# KiCad board arena_10_of_10_v1r1.kicad_pcb (continued)
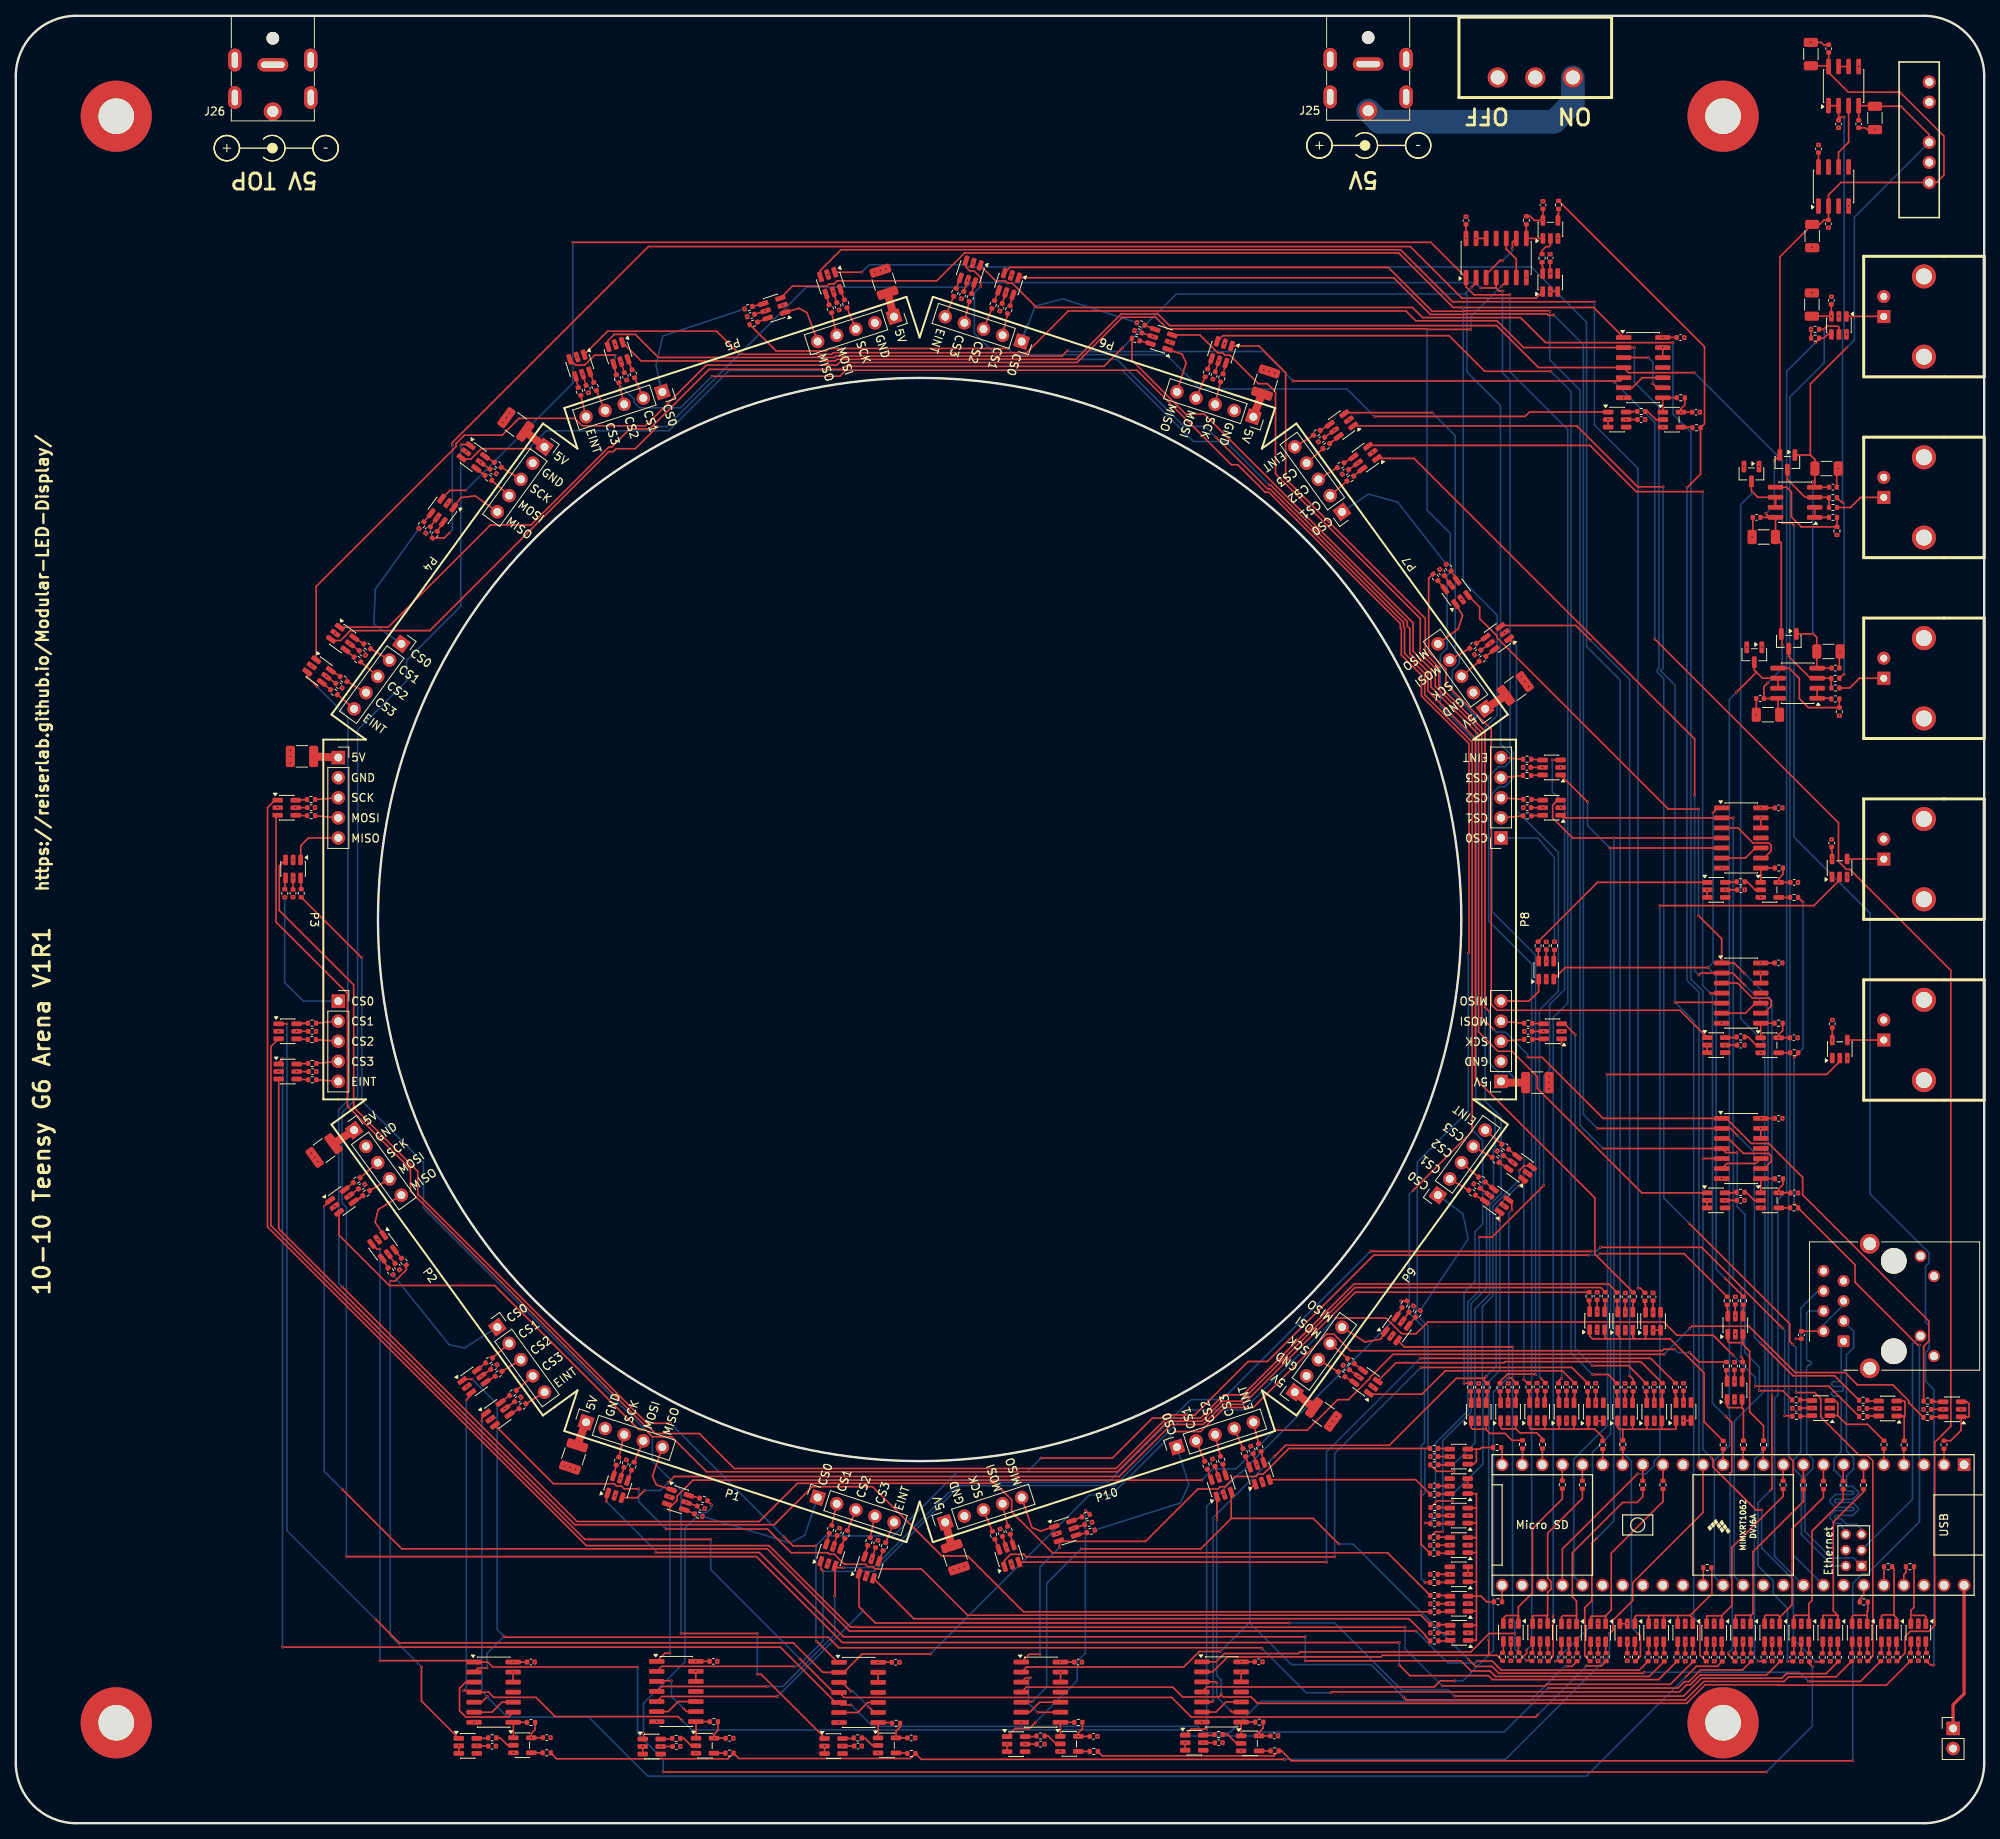
[diagram p0: board, top side]
## Nets (continued)
Net-(R124-Pad1): R124.1 U54.4
Net-(R125-Pad1): R125.1 U55.4
Net-(R126-Pad1): R126.1 U56.6
Net-(R127-Pad1): R127.1 U56.4
Net-(R128-Pad1): R128.1 U57.6
Net-(R129-Pad1): R129.1 U57.4
Net-(R130-Pad1): R130.1 U59.6
Net-(R131-Pad1): R131.1 U58.6
Net-(R132-Pad1): R132.1 U58.4
Net-(R133-Pad1): R133.1 U59.4
Net-(R134-Pad1): R134.1 U60.6
Net-(R135-Pad1): R135.1 U60.4
Net-(R136-Pad1): R136.1 U61.6
Net-(R137-Pad1): R137.1 U61.4
Net-(R138-Pad1): R138.1 U63.6
Net-(R139-Pad1): R139.1 U62.6
Net-(R140-Pad1): R140.1 U62.4
Net-(R141-Pad1): R141.1 U63.4
Net-(R142-Pad1): R142.1 U64.6
Net-(R143-Pad1): R143.1 U64.4
Net-(R144-Pad1): R144.1 U65.6
Net-(R145-Pad1): R145.1 U65.4
Net-(R146-Pad1): R146.1 U67.6
Net-(R147-Pad1): R147.1 U66.6
Net-(R148-Pad1): R148.1 U66.4
Net-(R149-Pad1): R149.1 U67.4
Net-(R150-Pad1): R150.1 U68.6
Net-(R151-Pad1): R151.1 U68.4
Net-(R152-Pad1): R152.1 U69.6
Net-(R153-Pad1): R153.1 U69.4
Net-(R154-Pad1): R154.1 U71.6
Net-(R155-Pad1): R155.1 U70.6
Net-(R156-Pad1): R156.1 U70.4
Net-(R157-Pad1): R157.1 U71.4
Net-(R158-Pad1): R158.1 U72.6
Net-(R159-Pad1): R159.1 U72.4
Net-(R160-Pad1): R160.1 U73.6
Net-(R161-Pad1): R161.1 U73.4
Net-(R162-Pad1): R162.1 U75.6
Net-(R163-Pad1): R163.1 U74.6
Net-(R164-Pad1): R164.1 U74.4
Net-(R165-Pad1): R165.1 U75.4
Net-(R166-Pad1): R166.1 U76.6
Net-(R167-Pad1): R167.1 U76.4
Net-(R168-Pad1): R168.1 U77.6
Net-(R169-Pad1): R169.1 U77.4
Net-(R170-Pad1): R170.1 U79.6
Net-(R171-Pad1): R171.1 U78.6
Net-(R172-Pad1): R172.1 U78.4
Net-(R173-Pad1): R173.1 U79.4
Net-(R174-Pad1): R174.1 U80.6
Net-(R175-Pad1): R175.1 U80.4
Net-(R176-Pad1): R176.1 U81.6
Net-(R177-Pad1): R177.1 U81.4
Net-(R186-Pad2): R186.2 U88.4
Net-(R187-Pad2): R187.2 U88.1 U89.8
Net-(R188-Pad1): R188.1 U88.2
Net-(R188-Pad2): R188.2 U90.6
Net-(R189-Pad2): R189.2 U92.4
Net-(R190-Pad2): R190.2 U91.8 U92.1
Net-(R191-Pad1): R191.1 U92.2
Net-(R191-Pad2): R191.2 U93.6
Net-(R192-Pad2): R192.2 U96.4
Net-(R193-Pad2): R193.2 U94.8 U96.1
Net-(R194-Pad1): R194.1 U96.2
Net-(R194-Pad2): R194.2 U97.6
Net-(R195-Pad2): R195.2 U100.4
Net-(R196-Pad2): R196.2 U95.8 U100.1
Net-(R197-Pad1): R197.1 U100.2
Net-(R197-Pad2): R197.2 U101.6
Net-(R198-Pad2): R198.2 U104.4
Net-(R199-Pad2): R199.2 U98.8 U104.1
Net-(R200-Pad1): R200.1 U104.2
Net-(R200-Pad2): R200.2 U105.6
Net-(R201-Pad2): R201.2 U108.4
Net-(R202-Pad2): R202.2 U99.8 U108.1
Net-(R203-Pad1): R203.1 U108.2
Net-(R203-Pad2): R203.2 U109.6
Net-(R204-Pad2): R204.2 U112.4
Net-(R205-Pad2): R205.2 U102.8 U112.1
Net-(R206-Pad1): R206.1 U112.2
Net-(R206-Pad2): R206.2 U113.6
Net-(R207-Pad2): R207.2 U116.4
Net-(R208-Pad2): R208.2 U103.8 U116.1
Net-(R209-Pad1): R209.1 U116.2
Net-(R209-Pad2): R209.2 U117.6
Net-(R210-Pad2): R210.2 U120.4
Net-(R211-Pad2): R211.2 U106.8 U120.1
Net-(R212-Pad1): R212.1 U120.2
Net-(R212-Pad2): R212.2 U121.6
Net-(R213-Pad2): R213.2 U124.4
Net-(R214-Pad2): R214.2 U107.8 U124.1
Net-(R215-Pad1): R215.1 U124.2
Net-(R215-Pad2): R215.2 U125.6
Net-(U1-0_RX1_CRX2_CS1): R1.2 U1.2
Net-(U1-2_OUT2): R2.2 U1.4
Net-(U1-3_LRCLK2): R3.2 U1.5
Net-(U1-4_BCLK2): R4.2 U1.6
Net-(U1-5_IN2): R5.2 U1.7
Net-(U1-6_OUT1D): R6.2 U1.8
Net-(U1-7_RX2_OUT1A): R7.2 U1.9
Net-(U1-8_TX2_IN1): R8.2 U1.10
Net-(U1-9_OUT1C): R9.2 U1.11
Net-(U1-10_CS_MQSR): R10.2 U1.12
Net-(U1-11_MOSI_CTX1): R11.2 U1.13
Net-(U1-13_SCK_LED): R24.2 U1.35
Net-(U1-21_A7_RX5_BCLK1): R23.2 U1.43
Net-(U1-22_A8_CTX1): R22.2 U1.44
Net-(U1-23_A9_CRX1_MCLK1): R21.2 U1.45
Net-(U1-24_A10_TX6_SCL2): R12.2 U1.16
Net-(U1-25_A11_RX6_SDA2): R13.2 U1.17
Net-(U1-26_A12_MOSI1): R14.2 U1.18
Net-(U1-27_A13_SCK1): R15.2 U1.19
Net-(U1-28_RX7): R16.2 U1.20
Net-(U1-29_TX7): R17.2 U1.21
Net-(U1-30_CRX3): R18.2 U1.22
Net-(U1-31_CTX3): R19.2 U1.23
Net-(U1-32_OUT1B): R20.2 U1.24
Net-(U1-33_MCLK2): R25.2 U1.25
Net-(U1-36_CS): U1.28 U3.2
Net-(U1-37_CS): U1.29 U2.2
Net-(U83A-+): D3.3 R182.2 R184.1 U83.3
Net-(U83A--): R180.2 U83.1 U83.2
Net-(U83B-+): R178.2 R180.1 U83.5
Net-(U84-NR): C99.1 U84.8
Net-(U84-Vout): U84.6 U87.3
Net-(U86A-+): D4.3 R183.2 R185.1 U86.3
Net-(U86A--): R181.2 U86.1 U86.2
Net-(U86B-+): R179.2 R181.1 U86.5
Net-(U87B--): U87.6 U87.7
Net-(U89-Pad3): U89.3 U89.9
Net-(U89-Pad10): U89.6 U89.10
Net-(U91-Pad3): U91.3 U91.9
Net-(U91-Pad10): U91.6 U91.10
Net-(U94-Pad3): U94.3 U94.9
Net-(U94-Pad10): U94.6 U94.10
Net-(U95-Pad3): U95.3 U95.9
Net-(U95-Pad10): U95.6 U95.10
Net-(U98-Pad3): U98.3 U98.9
Net-(U98-Pad10): U98.6 U98.10
Net-(U99-Pad3): U99.3 U99.9
Net-(U99-Pad10): U99.6 U99.10
Net-(U102-Pad3): U102.3 U102.9
Net-(U102-Pad10): U102.6 U102.10
Net-(U103-Pad3): U103.3 U103.9
Net-(U103-Pad10): U103.6 U103.10
Net-(U106-Pad3): U106.3 U106.9
Net-(U106-Pad10): U106.6 U106.10
Net-(U107-Pad3): U107.3 U107.9
Net-(U107-Pad10): U107.6 U107.10

Pads without a net: J1 7 11 12 13; U1 26 27 30 31 32 33 38 39 42; U2 1; U3 1; U6 4; U9 4; U12 4; U15 4; U38 4; U41 4; U84 1 3 5 7; U89 11; U90 4; U91 11; U93 4; U94 11; U95 11; U97 4; U98 11; U99 11; U101 4; U102 11; U103 11; U105 4; U106 11; U107 11; U109 4; U113 4; U117 4; U121 4; U125 4

## Via types
v1: diameter 0.35, hole 0.2, Top to Bottom, 675 vias
v2: diameter 0.4, hole 0.2, Top to Bottom, 2 vias

## Routing (per net, layer and track width the routed paths; a pad name or vN(x,y) marks a point on that pad's centre or on a via; arc(x,y) is an arc through that point)
+3.3V: length 185.7
  Top w0.2: C34.1 236.88,21.48 U34.5 v1(236.87,22.95) ; C25.1 217.34,57.34 v1(217.34,55.88) 217.35,55.88 217.35,55.88 ; C138.1 158.65,11.05 v1(157.22,11.05) 157.22,11.05 U120.5 157.23,11.45 157.26,11.48 157.26,11.54 157.75,12.03 R211.1 157.76,12.79 ; 119.88,193.73 v1(120.35,195.16) ; R26.1 227.02,187.84 v1(227.02,188.95) 227.01,188.95 ; 86.21,40.1 U43.5 v1(84.81,40.57) ; v1(199.97,64.7) U7.5 199.98,66.19 C7.1 ; C17.1 234.08,52.46 v1(235.57,52.46) 235.57,52.46 U17.5 ; U30.5 v1(188.71,53.19) 188.71,54.65 C30.1 ; 211.06,180.3 R199.1 211.06,179.39 210.56,178.89 v1(210.56,178.47) U104.5 211.99,178.47 C134.1 ; v1(222.11,22.95) 222.11,21.48 C21.1 ; U24.5 217.44,64.13 v1(217.44,64.13) 217.44,65.61 C24.1 ; C131.1 v1(65.2,10.81) 65.2,11.37 65.67,11.84 R190.1 65.67,12.76 ; C136.1 224.35,99.35 v1(222.93,99.35) ; U14.5 v1(207.19,53.19) C14.1 ; C5.1 211.11,21.46 v1(211.11,22.95) U5.5 ; C117.1 194.03,196.01 v1(194.04,196) ; 59.98,171.26 v1(58.78,172.12) 58.78,172.12 ; v1(103.4,35) C45.1 ; v1(220.67,128.43) U103.14 222.44,128.43 C124.1 ; U59.5 v1(94.8,191.29) C64.1 ; 88.8,12.83 R187.1 88.79,11.73 88.29,11.23 v1(88.29,10.75) 89.76,10.75 C130.1 ; 151.68,183.57 v1(152.13,184.97) ; C61.1 v1(39.27,145.05) ; U19.5 229.45,22.95 v1(229.44,22.94) 229.44,21.47 C19.1 ; C56.1 v1(35.52,95.07) ; v1(62.9,20.39) C112.1 ; U12.5 v1(199.8,53.18) 199.8,54.67 C12.1 ; D1.2 v1(218.54,171.6) ; U105.5 v1(203.63,177.53) U105.5 ; U105.5 C119.1 ; U16.5 v1(243.72,52.35) 242.22,52.35 C16.1 ; 185.26,148.36 v1(186.44,149.24) ; U4.5 v1(207.44,22.95) U4.5 ; U4.5 C4.1 ; C76.1 v1(166.73,176.16) ; C121.1 217.63,78.78 v1(216.15,78.78) U109.5 ; U98.14 208.27,187.92 v1(208.27,187.92) 210.02,187.92 C118.1 ; v1(192.76,22.97) 192.76,21.48 C28.1 ; C27.1 196.42,21.47 v1(196.42,22.93) ; v1(222.94,79.73) 222.94,80.24 223.47,80.77 R202.1 223.46,81.51 223.46,81.51 ; v1(222.94,79.73) 224.4,79.73 C135.1 ; v1(222.94,79.73) 222.94,79.73 U108.5 ; 223.43,101.19 R205.1 223.44,100.25 222.93,99.74 v1(222.93,99.35) ; U22.5 v1(218.42,22.95) 218.42,21.44 C22.1 ; C38.1 181.3,42.66 v1(181.32,42.63) ; C79.1 v1(193.54,109.04) ; C75.1 v1(169.73,172.05) ; v1(216.18,118.05) 217.67,118.05 217.68,118.06 ; 134.87,12.75 R214.1 134.88,11.93 134.37,11.42 v2(134.37,10.97) U124.5 135.81,10.98 C139.1 ; C10.1 192.4,54.68 v1(192.4,53.2) U10.5 ; C60.1 v1(42.25,149.17) ; C85.1 v1(186.35,79.43) ; C13.1 203.5,54.67 v1(203.5,53.18) U13.5 ; v1(181.38,24.08) 181.38,24.07 C39.1 ; U48.5 v1(58.87,56.55) C50.1 ; C66.1 v1(71.67,183.28) U61.5 ; C53.1 v1(35.4,128.44) ; 207.04,66.11 v1(207.04,64.63) 207.05,64.63 U9.5 ; C91.1 v1(156.93,45.32) ; v1(203.79,22.95) C6.1 ; v1(175.31,63.47) 176.19,64.65 ; C127.1 151.63,10.18 v1(150.16,10.18) ; C88.1 v1(125.23,34.89) ; C40.1 v1(181.35,27.75) U40.5 ; C128.1 133.84,20.39 v1(132.09,20.39) U107.14 ; U46.5 v1(42.16,79.36) 43.34,80.24 ; C36.1 181.33,35.16 v1(181.34,35.17) ; C26.1 200.09,21.48 v1(200.09,22.95) 200.1,22.95 U26.5 ; C86.1 v1(189.34,83.55) ; C81.1 v1(193.08,133.53) ; C132.1 v1(111.31,10.79) 111.31,11.63 111.83,12.15 111.83,12.64 111.83,12.64 ; C111.1 v1(81.55,9.7) U90.5 ; 76.92,45.04 v1(76.47,43.63) U42.5 ; C49.1 v1(47.1,71.99) U47.5 ; 168.62,57.34 v1(169.82,56.48) ; v1(181.35,31.48) 181.34,31.47 C41.1 ; v1(109.05,20.35) 110.78,20.35 C114.1 ; v1(35.06,119.57) U51.5 C54.1 ; U95.14 v1(183.39,200.45) C116.1 ; U55.5 v1(53.28,165.13) 52.42,163.95 ; v1(86,20.47) C110.1 ; 61.87,52.44 v1(61.87,52.44) C51.1 ; C18.1 225.65,52.51 v1(227.12,52.51) 227.12,52.51 U18.5 ; C35.1 233.17,21.49 v1(233.17,22.95) U35.5 ; 151.65,45.15 v1(152.09,43.74) ; C137.1 224.4,119 v1(222.94,119) 222.94,119.48 223.47,120.01 223.47,120.81 223.46,120.82 ; C80.1 v1(193.09,128.44) ; C78.1 v1(193.2,100.16) ; v1(240.59,22.96) U33.5 C33.1 ; C55.1 v1(35.51,100.16) ; 179.9,38.91 v1(181.34,38.91) ; C133.1 193.12,202.72 U100.5 193.11,202.72 v1(193.11,202.72) 192.03,202.72 191.5,203.25 R196.1 ; v1(104.54,9.75) C115.1 ; U20.5 v1(225.78,22.95) 225.78,21.44 225.79,21.43 ; C122.1 222.42,108.8 v1(220.67,108.8) ; D2.2 v1(218.9,148.75) ; C23.1 214.77,21.46 U23.5 214.77,22.96 v1(214.77,22.96) ; C31.1 185,54.66 v1(185,53.18) U31.5 ; C11.1 196.11,54.67 v1(196.11,53.18) 196.11,53.19 U11.5 ; U8.5 v1(203.53,64.65) 203.53,66.11 ; U15.5 v1(210.9,53.21) 210.9,54.69 C15.1 ; v1(181.5,156.62) U67.5 C74.1 ; U112.5 v1(222.93,99.35) ; U32.5 v1(181.33,46.37) C32.1 ; v1(220.68,89.15) C120.1 ; C63.1 v1(103.37,193.71) ; 76.5,184.86 v1(76.5,184.86) 76.95,183.45 ; v1(133.78,37.32) C89.1 ; U29.5 189.06,22.99 v1(189.06,22.99) C29.1 ; U63.5 v1(143.78,188.04) 142.39,188.5 ; 108.72,34.87 v1(108.25,33.44) ; v1(154.95,20.41) C126.1 ; C70.1 v1(125.2,193.6) ; v1(58.29,9.78) 59.72,9.78 C113.1 ; C129.1 v1(127.63,10) ; v1(216.17,98.41) C123.1
+5V: length 38.5
  Top w0.2: C3.1 229.63,123 229.68,122.95 v1(229.68,121.96) 229.63,122.01 ; 229.59,190.6 229.58,190.61 227.13,190.61 ; 229.59,190.6 C98.1 ; 229.59,190.6 U85.3 ; 229.59,190.6 U85.3 ; U85.3 v1(229.6,190.59) ; v1(229.71,99.06) C2.1
  Top w1: 188.43,142.66 185.81,140.94 ; C62.2 J13.1 ; 164.18,52.56 161.74,54.52 ; 187.82,93.82 187.97,93.67 190.94,93.67 ; 37.66,134.93 40.78,134.78 ; J23.1 118.36,35.04 ; 64.42,176.04 66.86,174.08 ; 157.6,180.81 J15.1 ; 71,47.79 J5.1 ; 40.17,85.94 42.78,87.66
+15V: length 118.4
  Top w0.2: U87.8 229.24,221.45 231.74,218.94 238.27,218.94 243.83,213.38 243.83,208.44 242.91,207.52 U82.6 230.8,207.52 229.24,205.96 U84.2 229.24,202.79 C93.1 228.67,202.78 228.11,202.22 C92.1 223.08,198.13 D3.2 v1(222.38,172.35) ; U87.8 229.25,222.21 C105.1 ; U87.8 229.13,222.29 C108.1 ; 221.45,165.16 221.45,165.52 v1(221.3,165.67) ; 221.45,165.16 222.53,165.16 222.54,165.16 222.54,162.69 C96.1 223.26,161.94 D4.2 223.37,150.31 v1(223.37,149.02) ; 221.45,165.16 C94.1 ; v1(221.54,144.22) 221.06,143.73 C101.1 222.82,142.25 U86.8 222.85,140.4 C103.1
  Bottom w0.2: v1(221.54,144.22) 223.37,146.04 v1(223.37,149.02) ; v1(221.3,165.67) 222.38,166.75 v1(222.38,172.35)
-15V: length 95.2
  Top w0.2: 227.51,169.7 v1(227.24,169.7) ; 227.51,169.7 C97.1 227.51,172.48 226.94,173.05 ; 227.51,169.7 227.51,169 227.49,168.97 ; U83.4 227.49,168.97 ; U83.4 227.49,168.97 ; U83.4 229.3,168.97 229.3,168.98 ; C106.1 233.05,215.41 U87.4 235.03,217.24 C109.1 238.39,217.16 241.97,213.58 U82.4 ; C102.1 229.63,146.09 U86.4 227.75,146.14 C104.1 227.75,149.98 227.31,150.42 v1(227.24,150.42) D4.1 ; D3.1 226.94,173.05 ; 226.94,173.05 226.94,182.03 v1(231.53,186.62) ; 229.3,168.98 C95.1 229.3,168.98
  Bottom w0.2: v1(227.24,150.42) v1(227.24,169.7) ; U82.4 232.5,203.13 232.5,187.59 v1(231.53,186.62)
/Analog IO/10V_REF: length 76.3
  Top w0.2: U87.1 U87.2 230.5,215.78 ; R183.1 231.13,145.33 v1(231.2,145.33) ; 230.5,215.78 C107.1 ; 230.5,215.78 v1(231.21,215.78) ; v1(231.09,167.04) 230.91,167.04 R182.1
  Bottom w0.2: v1(231.21,215.78) 231.21,188.91 231.01,188.71 231.01,167.12 v1(231.09,167.04) 231.2,166.93 v1(231.2,145.33)
/Teensy/VIN: length 18.7
  Top w0.4: U1.48 246.38,16.37 244.99,14.98 J2.1
GND: length 45
  Top w0.2: U102.12 220.66,106.27 v1(220.66,107.53) U102.13 ; U28.2 v1(192.76,25.25) ; C76.2 v1(164.72,174.72) ; v1(203.5,55.64) C13.2 ; v1(111.74,20.36) C114.2 ; C95.2 230.27,171.15 C97.2 230.45,171.34 v1(230.45,171.34) ; 37.79,84.21 37.79,84.21 v1(37.78,84.22) ; D1.1 220.44,171.6 v1(220.43,171.6) ; U99.13 v1(220.67,87.88) 220.67,86.61 220.68,86.61 ; U12.2 v1(199.81,50.89) 200.74,50.89 U12.3 ; U19.2 229.46,25.23 v1(229.46,25.23) ; C51.2 v1(63.87,53.88) ; U76.2 v1(188.18,78.1) ; C55.2 v1(37.95,100.15) ; v1(188.71,50.92) 188.72,50.92 U30.2 ; C134.2 212.95,178.46 v1(212.94,178.47) ; C107.2 v1(230.5,214.44) ; 147.88,10.18 v1(147.88,10.18) 147.88,9.24 147.88,9.23 ; U97.3 102.27,8.81 v1(102.27,9.76) U97.2 ; v1(192.4,50.91) 192.39,50.92 192.39,50.93 ; U56.2 v1(40.4,150.51) ; C31.2 v1(184.99,55.63) ; C85.2 v1(184.38,80.87) ; 167.75,170.62 v1(167.74,170.63) ; 45.77,73.82 v1(45.77,73.83) ; C81.2 v1(190.6,133.54) ; C128.2 v1(134.81,20.38) ; C98.2 v1(229.59,193.08) ; C29.2 v1(189.05,20.53) ; v1(62.04,177.79) 62.04,177.79 62.04,177.77 ; C104.2 v1(230.7,148.15) 230.6,148.05 C102.2 ; C136.2 v1(225.32,99.35) ; v1(113.72,10.79) C132.2 ; U105.2 201.37,177.54 v1(201.36,177.54) 201.36,176.59 U105.3 ; U22.2 v1(218.42,25.23) ; U125.2 v1(125.36,10.01) U125.2 ; U125.2 U125.3 ; U38.3 183.59,43.57 v1(183.59,42.63) U38.2 ; C35.2 v1(233.18,20.52) ; C110.2 v1(88.69,20.47) ; U89.13 v1(85.99,19.2) 85.99,17.94 U89.12 ; U124.3 v1(132.09,9.08) ; U31.2 v1(185.02,50.92) ; U99.7 v1(215.72,81.53) ; 180.08,158.59 v1(180.07,158.6) ; 136.78,10.98 v2(136.78,10.98) ; 152.83,187.14 v1(152.83,187.14) ; U27.2 196.42,25.21 v1(196.43,25.22) ; C37.2 v1(178.93,38.91) ; 229.22,201.82 v1(229.22,201.82) ; U36.2 v1(183.62,35.18) ; U8.2 v1(203.53,62.37) ; C14.2 v1(207.19,55.63) ; v1(235.1,214.22) 235.11,214.22 C109.2 234.11,214.21 233.88,214.44 C106.2 ; C21.2 v1(222.12,20.51) ; v1(213.87,78.78) U109.2 213.88,77.83 ; 72.42,180.93 v1(72.42,180.93) ; C56.2 v1(37.99,95.06) ; C79.2 v1(193.55,111.47) ; 207.07,62.35 U9.3 ; 207.07,62.35 U9.2 207.07,62.35 ; 207.07,62.35 v1(207.08,62.34) ; C84.2 v1(176.75,65.44) ; U91.12 62.89,17.85 v1(62.89,19.12) 62.89,19.12 U91.13 ; U44.2 v1(102.69,32.84) ; C45.2 v1(104.16,37.32) ; C137.2 225.37,119 v1(225.36,119) ; v1(208.27,186.64) U98.13 U98.12 ; 195.36,133.53 v1(195.35,133.53) ; 166.56,50.83 v1(166.53,50.86) ; 183.62,38.91 v1(183.61,38.91) ; v1(106.98,9.76) C115.2 ; U113.3 213.89,97.47 v1(213.89,98.41) U113.2 ; R178.1 v1(230.3,162.93) ; 152.8,41.58 v1(152.79,41.58) ; C80.2 v1(190.65,128.43) ; 188.28,150.58 v1(188.29,150.58) ; C92.2 v1(227.17,199.28) ; U26.2 v1(200.1,25.23) ; C135.2 v1(225.38,79.71) ; v1(158.51,183.62) 158.51,183.62 ; U107.13 132.11,19.11 v1(132.12,19.1) 132.12,17.86 U107.12 ; C68.2 v1(151.39,182.65) ; 184.77,200.45 U95.12 ; 184.77,200.45 v1(184.66,200.45) 184.77,200.45 ; C105.2 228.62,224.94 228.31,225.24 v1(226.99,225.24) 227,225.24 227,225.24 ; U13.2 v1(203.5,50.88) ; 60.85,57.98 v1(60.85,57.98) ; C4.2 v1(207.44,20.51) ; U64.2 v1(125.9,195.76) ; C34.2 v1(236.88,20.53) ; 125.94,32.73 v1(125.93,32.73) ; 92.5,190.54 v1(92.5,190.54) ; U34.2 v1(236.87,25.23) ; C33.2 240.58,20.54 v1(240.58,20.54) ; U11.2 v1(196.1,50.9) ; v1(119.27,32.24) 119.27,32.24 C87.1 ; C17.2 v1(233.1,52.45) ; U21.2 v1(222.11,25.23) ; C83.2 v1(167.83,57.9) ; 82.65,41.27 v1(82.65,41.27) ; v1(183.65,24.08) 183.66,24.08 U39.2 ; U18.2 v1(229.39,52.51) ; U29.2 v1(189.06,25.26) ; U84.4 v1(231.77,204.54) ; 124.47,37.2 v1(124.47,37.2) ; v1(220.7,77.82) 220.69,77.83 220.68,77.83 ; U89.7 v1(81.05,12.86) ; C123.2 v1(218.64,98.41) ; C70.2 v1(124.42,191.25) ; C11.2 196.1,55.66 v1(196.1,55.66) ; 195.48,100.16 v1(195.5,100.15) ; C117.2 v1(194.03,198.46) ; U116.3 v1(220.66,117.1) ; C129.2 v1(130.07,10) ; U59.2 v1(96.98,191.99) ; U85.2 v1(230.55,190.59) ; U52.2 v1(33.23,100.16) ; C18.2 v1(224.66,52.49) ; C130.2 v1(90.76,10.74) ; 220.68,127.16 v1(220.67,127.16) 220.67,125.89 U103.12 ; C99.2 227.96,212.27 v1(227.96,212.27) ; C138.2 v1(159.61,11.05) ; C25.2 v1(217.34,58.31) ; C119.2 v1(206.03,177.53) ; C10.2 v1(192.37,55.69) ; C8.2 v1(203.53,67.07) ; 70.97,185.44 v1(70.96,185.45) ; C126.2 v1(157.64,20.42) ; C26.2 v1(200.09,20.51) ; U91.7 57.94,12.77 v1(57.94,12.77) ; U55.2 v1(54.62,166.97) ; C3.2 v1(229.62,124.43) ; C71.2 v1(119.58,192.82) ; 40.31,78.03 v1(40.31,78.02) ; U101.3 194.99,193.73 v1(194.04,193.73) U101.2 ; C101.2 v1(220.1,140.2) ; U72.2 v1(195.37,128.45) ; C44.2 v1(87.12,39.81) ; C69.2 v1(141.47,188.8) ; C118.2 v1(210.99,187.92) ; 56.01,8.83 U93.3 U93.2 v1(56.01,9.78) ; v1(225.1,61.26) 225.11,61.27 C1.2 ; 157.63,43.16 v1(157.63,43.16) ; U77.2 v1(191.18,82.22) ; C94.2 219.66,162.77 C96.2 v1(219.57,162.68) ; 210.9,50.93 210.89,50.93 v1(210.89,50.93) 211.85,50.93 211.85,50.93 ; U88.3 v1(86.01,8.85) ; C124.2 v1(223.41,128.42) ; v1(34.71,134.92) 34.71,134.92 C52.1 ; D2.1 v1(220.8,148.75) ; U87.5 v1(233.04,222.19) ; U106.7 v1(149.99,12.79) ; C12.2 v1(199.79,55.64) ; v1(178.84,35.16) 178.84,35.16 C36.2 ; U35.2 v1(233.17,25.23) ; v1(240.59,25.24) 240.6,25.24 U33.2 ; C120.2 223.4,89.15 v1(223.41,89.14) ; C24.2 v1(217.45,66.58) ; 199.97,67.16 v1(199.97,67.16) ; U98.7 v1(203.32,180.29) ; C22.2 v1(218.42,20.48) ; 70.09,44.98 70.1,44.98 v1(70.11,44.99) ; C100.2 v1(227.13,193.56) ; C133.2 v1(193.12,205.13) ; U23.2 v1(214.77,25.23) ; U41.2 v1(183.62,31.48) 183.62,32.42 U41.3 ; C2.2 v1(229.72,101.59) ; U94.12 109.04,17.82 v1(109.04,19.09) U94.13 ; v1(199.97,62.42) 199.97,62.42 U7.2 ; C23.2 v1(214.79,20.49) ; C58.2 v1(60.75,170.7) ; 56.94,173.45 v1(56.94,173.46) ; 57.03,55.21 v1(57.03,55.22) ; 171.66,55.15 v1(171.65,55.15) ; v1(211.11,20.5) 211.12,20.5 C5.2 ; 104.13,191.4 v1(104.12,191.4) ; 193.54,106.77 v1(193.53,106.77) ; U79.2 v1(131.62,36.61) ; 156.18,47.67 v1(156.17,47.68) ; U102.7 v1(215.7,101.18) ; 190.81,144.39 v1(190.81,144.39) ; C65.2 v1(77.25,182.54) ; U96.3 109.03,8.89 v1(109.03,8.89) ; U57.2 v1(37.42,146.39) ; 136.1,38.06 v1(136.09,38.06) ; v1(109.33,196.37) C62.1 ; C41.2 178.87,31.47 v1(178.86,31.48) ; 79.28,8.75 79.28,8.75 79.28,9.7 v1(79.28,9.7) ; C125.2 v1(218.63,118.06) ; 41.26,143.59 v1(41.25,143.59) ; U107.7 v1(127.14,12.77) ; U20.2 v1(225.79,25.23) ; C38.2 178.88,42.66 v1(178.87,42.66) ; C54.2 v1(35.05,117.13) ; U32.2 183.6,46.37 v1(183.6,46.37) ; v1(210.89,55.65) C15.2 ; C32.2 v1(178.88,46.37) ; U4.2 207.44,25.22 v1(207.43,25.23) ; C113.2 v1(60.74,9.72) ; 187.34,85.01 v1(187.34,85.02) ; C9.2 v1(207.04,67.07) ; U25.2 v1(217.34,53.6) ; U117.2 v1(213.89,118.05) 213.89,117.11 U117.3 ; C60.2 v1(44.21,147.73) ; U45.2 v1(107.54,31.28) ; U14.2 v1(207.21,50.89) ; U17.2 v1(237.85,52.46) ; v1(195.02,200.45) 195.02,200.45 U100.3 ; 182.83,154.78 v1(182.83,154.78) ; U106.13 154.95,19.12 v1(154.96,19.11) 154.96,17.88 U106.12 ; U65.2 v1(121.06,197.33) ; U112.3 220.65,97.45 v1(220.65,97.45) ; C77.1 v1(193.88,93.67) ; U120.3 v1(154.95,9.15) ; U53.2 v1(33.24,95.08) ; C78.2 v1(190.77,100.15) ; U6.2 v1(203.79,25.23) 202.85,25.23 U6.3 ; U95.7 v1(191,195.51) ; C127.2 v1(152.6,10.18) ; 35.06,121.84 v1(35.06,121.84) ; C20.2 v1(225.79,20.47) ; R179.1 v1(230.6,140.1) ; U2.3 v1(231.6,96.77) ; U103.7 v1(215.72,120.81) ; C53.2 v1(37.83,128.45) ; C122.2 v1(223.38,108.81) ; C46.2 v1(109.01,35.78) ; U40.2 v1(183.63,27.76) ; 48.52,70.01 v1(48.52,70.01) ; U92.3 v1(62.92,8.91) ; 145.95,187.33 v1(145.94,187.34) ; 102.66,195.87 v1(102.66,195.87) ; C43.2 v1(77.21,45.95) ; C19.2 v1(229.46,20.5) ; 171.57,173.39 v1(171.57,173.39) ; 75.77,41.47 v1(75.77,41.47) ; C121.2 v1(218.6,78.78) ; C59.2 v1(51.85,163.17) ; C30.2 v1(188.72,55.63) ; C90.2 v1(151.35,46.07) ; C27.2 v1(196.41,20.5) ; U104.3 v1(208.29,176.57) ; C28.2 v1(192.77,20.5) ; U50.2 v1(33.11,128.45) ; U75.2 v1(173.97,61.63) ; C116.2 v1(183.38,203.19) ; 75.8,187.03 v1(75.8,187.03) ; U85.6 v1(231.5,188.32) ; U5.2 v1(211.11,25.23)
  Bottom w0.2: v1(190.6,133.54) 190.8,133.56
  vias: v1(34.71,135.68) v1(34.7,134.1) v1(37.38,84.76) v1(38.2,83.66) v1(44.12,80.8) v1(60.03,51.1) v1(61.58,177.18) v1(62.45,178.37) v1(65.61,20.38) v1(67.62,10.82) v1(69.43,45.2) v1(70.8,44.76) v1(84.02,9.7) v1(104.1,12.73) v1(108.62,196.16) v1(110,196.58) v1(118.57,32.02) v1(119.93,32.46) v1(157.82,183.83) v1(159.19,183.41) v1(166.13,50.22) v1(166.98,51.44) v1(168.57,177.5) v1(178.89,27.75) v1(178.89,24.07) v1(184.48,147.8) v1(190.38,144.99) v1(191.32,143.77) v1(193.89,94.43) v1(193.89,92.89) v1(203.79,20.54) v1(217.45,61.85) v1(231.58,119.68) v1(241.25,52.34) v1(246,52.35)
/Analog IO/A0_5V: length 6.1
  Top w0.2: R185.2 231.91,143.58 233.15,144.82 233.16,144.81 J29.1
/Analog IO/A1_5V: length 6.4
  Top w0.2: J28.1 233.29,167.69 232.01,166.41 R184.2
/Analog IO/AIN.A0: length 123.9
  Top w0.2: 220.12,145.58 v1(217.59,143.05) ; 220.12,145.58 220.88,144.82 U86.6 U86.7 ; 220.12,145.58 219.85,145.85 D2.3
  Bottom w0.2: v1(217.59,143.05) 216.69,142.15 216.69,51.66 216.73,51.62 216.73,47.81 214.79,45.87 214.79,31.21 U1.36
/Analog IO/AIN.A1: length 148.7
  Top w0.2: 222.54,166.43 222.54,167.07 ; 222.54,167.07 222.54,167.7 ; 222.54,167.07 222.54,167.7 ; 222.54,167.7 220.3,167.7 v1(219.67,168.33) 219.49,168.51 D1.3
  Bottom w0.2: U1.37 217.32,31.22 217.32,50.82 221.18,54.69 221.18,98.7 218.12,101.76 218.12,166.77 v1(219.67,168.33)
/Analog IO/AOUT: length 4.7
  Top w0.2: J27.1 236.19,190.59 U85.1
/Analog IO/I2C.SCL: length 166.2
  Top w0.2: 228.62,188.95 v1(228.69,188.95) ; 228.62,188.95 R27.2 ; 228.62,188.95 229.02,189.35 230.38,189.35 230.55,189.18 U85.5 ; v1(224.33,46.22) 224.75,45.8 v1(224.75,44.18)
  Bottom w0.2: v1(228.69,188.95) 228.69,184.73 224.35,180.39 224.35,79.54 224.18,79.37 224.18,46.37 v1(224.33,46.22) ; U1.41 224.75,33.95 v1(224.75,44.18)
/Analog IO/I2C.SDA: length 163.4
  Top w0.2: R26.2 228.15,187.83 ; 228.15,187.83 228.65,187.83 229.13,188.31 U85.4 ; 228.15,187.83 v1(227.57,187.25)
  Bottom w0.2: U1.40 222.41,33.75 222.41,53.73 222.85,54.17 222.85,78.85 223.94,79.94 223.94,183.63 v1(227.57,187.25)
/Fan Out/PAN.CS_00_P1: length 194.4
  Top w0.2: 82.72,40.1 v1(82.72,39.53) ; 82.72,40.1 82.88,40.1 83.63,40.85 83.63,41.38 85.64,43.39 v1(149.97,43.39) ; 82.72,40.1 82.62,40.1 U43.3 ; U89.1 82.09,21.51 v1(82.72,21.51) ; v1(208.43,59.3) 174.16,59.3 171.22,56.36 171.22,56.26 168.52,53.57 167.18,53.57 163.32,49.71 v1(159.21,49.71) ; R48.2 239.38,53.18 239.38,53.43 237.36,55.44 232.89,55.44 231.34,56.99 225.02,56.99 219.17,62.85 211.95,62.85 v1(211.67,62.57)
  Bottom w0.2: v1(208.43,59.3) 211.67,62.54 v1(211.67,62.57) ; v1(159.21,49.71) 154.32,44.81 151.39,44.81 v1(149.97,43.39) ; v1(82.72,21.51) v1(82.72,39.53)
/Fan Out/PAN.CS_00_P6: length 190.3
  Top w0.2: R49.2 241.26,60.31 241.92,60.97 241.92,63.51 225.96,79.47 225.96,81.68 221.67,85.97 219.47,85.97 216.3,89.15 200.73,89.15 193.01,96.86 v1(191.19,96.86) ; v1(186.88,100.42) 185.38,101.91 185.38,137.94 179.51,143.82 179.51,146.09 177.61,147.99 177.61,152.36 159.3,170.67 159.3,181.02 158.24,182.07 157.13,182.07 153.54,185.66 152.93,185.66 152.63,185.96 152.02,185.96 149.74,188.23 U63.3
  Bottom w0.2: v1(191.19,96.86) 191.19,97.22 188.35,100.06 187.24,100.06 v1(186.88,100.42)
/Fan Out/PAN.CS_01_P1: length 184.2
  Top w0.2: v1(102.09,31.89) 101.79,32.18 U44.1 ; v1(166.88,63.89) 173.28,63.89 175.14,62.02 175.18,62.02 175.29,61.91 177.09,61.91 178.57,63.39 208.38,63.39 210.05,61.72 214.65,61.72 v1(217.19,59.18) ; v1(219.99,55.27) 229.28,55.27 R50.2 ; v1(98.37,19.84) 81.69,19.84 U89.2
  Bottom w0.2: v1(219.99,55.27) 219.99,56.38 v1(217.19,59.18) ; v1(166.88,63.89) 155.25,52.26 148.52,52.26 138.97,42.71 119.42,42.71 108.55,31.84 102.14,31.84 v1(102.09,31.89) 102.09,23.04 98.88,19.84 v1(98.37,19.84)
/Fan Out/PAN.CS_01_P6: length 235.9
  Top w0.2: v1(200,87.88) U99.2 216.82,87.88 v1(217.69,87) ; R51.2 230,56.59 224.75,56.59 v1(220.65,60.69) ; U64.1 174.24,195.47 178.88,190.83 183.4,190.83 183.47,190.9 193.64,190.9 193.79,190.75 v1(194.49,190.75)
  Bottom w0.2: v1(200,87.88) 198.23,89.65 198.23,187.01 v1(194.49,190.75) ; v1(217.69,87) 219.86,84.84 219.86,61.48 v1(220.65,60.69)
/Fan Out/PAN.CS_02_P1: length 187.2
  Top w0.2: v1(223.38,62.65) 213.19,72.84 v1(200.38,72.84) ; v1(95.05,17.3) 81.69,17.3 U89.4 ; U44.3 103.6,32.32 ; 103.6,32.32 v1(104.65,32.32) ; 103.6,32.32 103.6,28.77 v1(103.56,28.72) ; v1(171.29,72.32) v1(199.19,72.32) ; R52.2 224.6,51.53 v1(223.69,51.53)
  Bottom w0.2: v1(95.05,17.3) 96.99,17.3 103.56,23.86 v1(103.56,28.72) ; v1(223.38,62.65) 223.69,62.33 v1(223.69,51.53) ; v1(200.38,72.84) 199.86,72.32 v1(199.19,72.32) ; v1(171.29,72.32) 152.53,53.57 148.58,53.57 138.12,43.11 119.25,43.11 108.46,32.32 v1(104.65,32.32)
/Fan Out/PAN.CS_02_P6: length 233.4
  Top w0.2: v1(193.98,191.22) 193.91,191.3 183.3,191.3 183.24,191.23 179.11,191.23 173.56,196.78 125.72,196.78 U64.3 ; v1(200.74,85.34) U99.4 216.24,84.82 v1(217.68,84.82) ; R53.2 223.46,54.7 v1(220.49,54.7)
  Bottom w0.2: v1(220.49,54.7) 220.49,57.7 218.67,59.52 218.67,77.01 217.68,77.99 v1(217.68,84.82) ; v1(193.98,191.22) 193.98,185.09 197.82,181.26 197.82,88.26 v1(200.74,85.34)